# Altium PCB STM32F7_CoreBoard.PcbDoc (part 6 of 8) (continued)
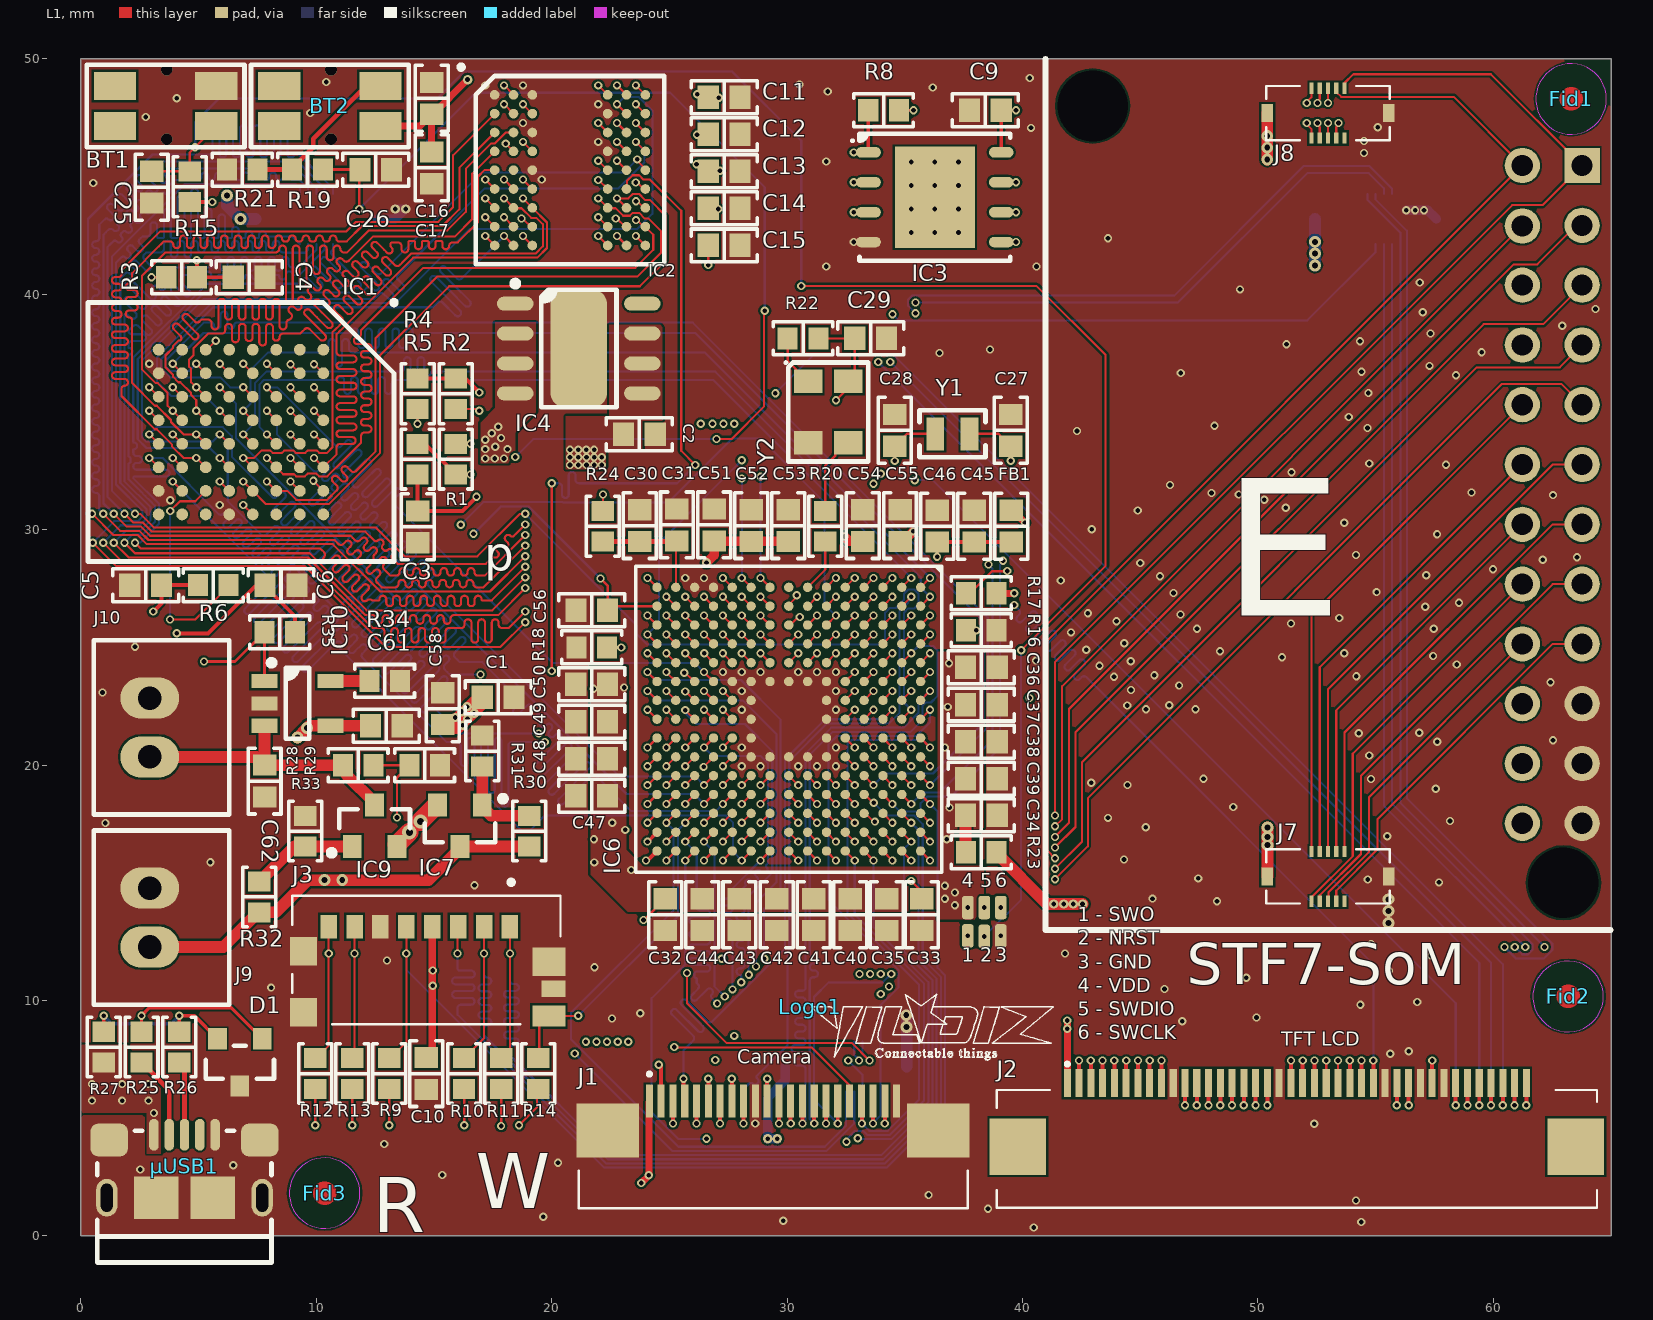
[diagram p0: L1 view]
## Nets (pads, with @x,y where several pads share a name; then routed paths per layer and width w, separated by ;. In a path a pad name is that pad's centre, name@x,y a point inside that pad or via, vN(x,y) a via of type N, cw(c..) or ccw(c..) an arc to the next point about the centre after c; other vN are vias at no path point) (continued)
LCD_R1: IC6.R6 J2.26 | length 45.6
  L1 w0.089: v1(24.07,23.953) IC6.R6@24.47,23.553
  L1 w0.169: J2.26@54.4,6.5 v1(54.4,7.45)
  L4 w0.089: v1(29.025,11.775) 31.017,9.783 52.067,9.783 v1(54.4,7.45)
  L6 w0.089: v1(24.07,23.953) 24.405,23.618 28.041,23.618 29.723,21.936 29.723,14.598 29.025,13.9 v1(29.025,11.775)
LCD_R2: IC6.R7 J2.25 | length 45.9
  L1 w0.089: v1(24.07,23.152) IC6.R7@24.47,22.752
  L1 w0.169: J2.25@53.9,6.5 v1(53.9,7.45)
  L4 w0.089: v1(28.676,11.451) 28.699,11.451 31.658,8.492 51.45,8.492 ccw(c51.45,8.6) 51.558,8.6 51.558,8.736 cw(c51.703,8.736) 51.703,8.881 cw(c51.703,8.736) 51.847,8.736 51.847,8.636 ccw(c51.992,8.636) 51.992,8.492 ccw(c51.992,8.636) 52.136,8.636 52.136,8.736 cw(c52.281,8.736) 52.281,8.881 cw(c52.281,8.736) 52.425,8.736 52.425,8.636 ccw(c52.569,8.636) 52.569,8.492 52.714,8.492 52.858,8.492 v1(53.9,7.45)
  L6 w0.089: v1(24.07,23.152) 24.473,22.75 28.109,22.75 29.545,21.313 29.545,15.02 28.676,14.151 v1(28.676,11.451)
LCD_R3: IC6.N14 J2.24 | length 45.4
  L1 w0.089: v1(25.67,16.752) IC6.N14@26.07,17.152 ; J2.24@53.4,6.5 v1(53.4,7.45)
  L4 w0.089: v1(27.025,9.875) 29.8,7.1 29.936,6.964 52.914,6.964 v1(53.4,7.45)
  L6 w0.089: v1(25.67,16.752) 26.162,16.26 26.162,14.075 26.162,13.978 ccw(c26.306,13.978) 26.306,13.833 26.588,13.833 cw(c26.588,13.689) 26.732,13.689 cw(c26.588,13.689) 26.588,13.545 26.162,13.545 25.992,13.545 ccw(c25.992,13.4) 25.848,13.4 ccw(c25.992,13.4) 25.992,13.256 26.162,13.256 26.588,13.256 cw(c26.588,13.111) 26.732,13.111 cw(c26.588,13.111) 26.588,12.967 26.162,12.967 25.992,12.967 ccw(c25.992,12.822) 25.848,12.822 ccw(c25.992,12.822) 25.992,12.678 26.162,12.678 26.588,12.678 cw(c26.588,12.533) 26.732,12.533 cw(c26.588,12.533) 26.588,12.389 26.162,12.389 25.992,12.389 ccw(c25.992,12.244) 25.848,12.244 ccw(c25.992,12.244) 25.992,12.1 26.162,12.1 26.588,12.1 cw(c26.588,11.956) 26.732,11.956 cw(c26.588,11.956) 26.588,11.811 26.162,11.811 25.992,11.811 ccw(c25.992,11.667) 25.848,11.667 ccw(c25.992,11.667) 25.992,11.522 26.162,11.522 26.588,11.522 cw(c26.588,11.378) 26.732,11.378 cw(c26.588,11.378) 26.588,11.233 26.162,11.233 ccw(c26.162,11.127) 26.056,11.127 26.056,11.051 ccw(c26.162,11.051) 26.162,10.944 26.162,10.8 26.162,10.738 26.208,10.692 cw(c26.106,10.59) 26.208,10.488 25.956,10.236 ccw(c26.058,10.134) 25.956,10.032 ccw(c26.058,10.134) 26.16,10.032 26.514,10.386 26.599,10.47 cw(c26.701,10.368) 26.803,10.47 cw(c26.701,10.368) 26.803,10.266 ccw(c26.888,10.181) 26.803,10.097 26.923,9.977 v1(27.025,9.875)
LCD_R4: IC6.N8 J2.23 | length 45.3
  L1 w0.089: v1(25.67,22.337) 25.678,22.337 26.063,21.952 IC6.N8@26.07,21.952 ; J2.23@52.9,6.5 v1(52.9,7.45)
  L4 w0.089: v1(28.375,11.1) 28.477,10.998 28.681,10.794 28.784,10.691 ccw(c28.886,10.794) 28.988,10.691 28.995,10.699 cw(c29.098,10.597) 29.2,10.699 cw(c29.098,10.597) 29.2,10.495 29.192,10.487 ccw(c29.294,10.385) 29.192,10.283 ccw(c29.294,10.385) 29.396,10.283 29.404,10.29 cw(c29.506,10.188) 29.608,10.29 cw(c29.506,10.188) 29.608,10.086 29.601,10.079 ccw(c29.703,9.976) 29.601,9.874 ccw(c29.703,9.976) 29.805,9.874 29.812,9.882 cw(c29.915,9.78) 30.017,9.882 cw(c29.915,9.78) 30.017,9.678 29.907,9.568 29.81,9.471 ccw(c29.912,9.369) 29.81,9.266 ccw(c29.912,9.369) 30.014,9.266 30.111,9.364 30.221,9.473 cw(c30.323,9.371) 30.425,9.473 cw(c30.323,9.371) 30.425,9.269 30.316,9.159 30.219,9.062 ccw(c30.321,8.96) 30.219,8.858 ccw(c30.321,8.96) 30.423,8.858 30.52,8.955 30.63,9.065 cw(c30.732,8.963) 30.834,9.065 cw(c30.732,8.963) 30.834,8.86 30.724,8.751 30.627,8.654 ccw(c30.729,8.551) 30.627,8.449 ccw(c30.729,8.551) 30.831,8.449 cw(c30.929,8.352) 31.026,8.449 31.037,8.438 31.175,8.3 52.05,8.3 v1(52.9,7.45)
  L6 w0.089: v1(25.67,22.337) 25.67,22.213 26.134,21.75 28.211,21.75 29.368,20.593 29.368,15.422 28.789,14.843 28.768,14.843 28.367,14.442 28.367,11.108 v1(28.375,11.1)
LCD_R5: IC6.M9 J2.22 | length 45.5
  L1 w0.089: v1(26.47,20.752) IC6.M9@26.87,21.152
  L1 w0.169: J2.22@52.4,6.5 v1(52.4,7.45)
  L4 w0.089: v1(28.05,10.775) 28.15,10.675 28.155,10.67 ccw(c28.252,10.767) 28.349,10.67 cw(c28.451,10.568) 28.554,10.67 cw(c28.451,10.568) 28.554,10.466 28.456,10.369 28.347,10.259 ccw(c28.449,10.157) 28.347,10.055 ccw(c28.449,10.157) 28.551,10.055 28.661,10.164 28.758,10.261 cw(c28.86,10.159) 28.962,10.261 cw(c28.86,10.159) 28.962,10.057 28.865,9.96 28.755,9.85 ccw(c28.857,9.748) 28.755,9.646 ccw(c28.857,9.748) 28.96,9.646 29.069,9.756 29.166,9.853 cw(c29.269,9.751) 29.371,9.853 cw(c29.269,9.751) 29.371,9.649 ccw(c29.468,9.551) 29.371,9.454 29.387,9.438 29.609,9.216 29.609,9.196 30.344,8.461 30.704,8.1 51.75,8.1 v1(52.4,7.45)
  L6 w0.089: v1(26.47,20.752) 26.831,20.391 28.867,20.391 29.19,20.069 29.19,15.835 29.127,15.772 ccw(c29.184,15.715) 29.127,15.657 cw(c29.025,15.555) 29.127,15.453 cw(c29.025,15.555) 28.922,15.453 28.865,15.51 ccw(c28.773,15.418) 28.68,15.51 28.661,15.491 ccw(c28.753,15.398) 28.661,15.306 28.718,15.249 cw(c28.616,15.147) 28.718,15.044 cw(c28.616,15.147) 28.514,15.044 28.456,15.102 ccw(c28.364,15.01) 28.272,15.102 28.252,15.082 ccw(c28.344,14.99) 28.252,14.898 28.15,14.795 28.05,14.695 28.05,14.551 28.05,14.315 cw(c27.997,14.315) 27.997,14.262 ccw(c27.997,14.118) 27.853,14.118 ccw(c27.997,14.118) 27.997,13.973 28.05,13.973 cw(c28.05,13.834) 28.189,13.834 28.189,13.823 cw(c28.05,13.823) 28.05,13.684 27.997,13.684 ccw(c27.997,13.54) 27.853,13.54 ccw(c27.997,13.54) 27.997,13.395 28.05,13.395 cw(c28.05,13.256) 28.189,13.256 28.189,13.245 cw(c28.05,13.245) 28.05,13.106 27.997,13.106 ccw(c27.997,12.962) 27.853,12.962 ccw(c27.997,12.962) 27.997,12.818 28.05,12.818 cw(c28.05,12.679) 28.189,12.679 28.189,12.668 cw(c28.05,12.668) 28.05,12.529 27.997,12.529 ccw(c27.997,12.384) 27.853,12.384 ccw(c27.997,12.384) 27.997,12.24 28.05,12.24 cw(c28.05,12.101) 28.189,12.101 28.189,12.09 cw(c28.05,12.09) 28.05,11.951 27.997,11.951 ccw(c27.997,11.806) 27.853,11.806 ccw(c27.997,11.806) 27.997,11.662 28.05,11.662 cw(c28.05,11.523) 28.189,11.523 28.189,11.512 cw(c28.05,11.512) 28.05,11.373 27.997,11.373 ccw(c27.997,11.229) 27.853,11.229 ccw(c27.997,11.229) 27.997,11.084 cw(c27.997,11.031) 28.05,11.031 28.05,10.795 v1(28.05,10.775)
LCD_R6: IC6.M14 J2.21 | length 45.4
  L1 w0.089: v1(26.47,16.752) IC6.M14@26.87,17.152
  L1 w0.169: J2.21@51.9,6.5 v1(51.9,7.45)
  L4 w0.089: v1(27.35,10.175) 30.383,7.142 36.95,7.142 ccw(c36.95,7.194) 37.002,7.194 37.002,7.436 cw(c37.147,7.436) 37.147,7.581 cw(c37.147,7.436) 37.291,7.436 37.291,7.286 ccw(c37.436,7.286) 37.436,7.142 ccw(c37.436,7.286) 37.58,7.286 37.58,7.436 cw(c37.724,7.436) 37.724,7.581 cw(c37.724,7.436) 37.869,7.436 37.869,7.286 ccw(c38.013,7.286) 38.013,7.142 ccw(c38.013,7.286) 38.158,7.286 38.158,7.436 cw(c38.302,7.436) 38.302,7.581 cw(c38.302,7.436) 38.447,7.436 38.447,7.286 ccw(c38.591,7.286) 38.591,7.142 ccw(c38.591,7.286) 38.736,7.286 38.736,7.436 cw(c38.88,7.436) 38.88,7.581 cw(c38.88,7.436) 39.025,7.436 39.025,7.286 ccw(c39.169,7.286) 39.169,7.142 ccw(c39.169,7.286) 39.313,7.286 39.313,7.436 cw(c39.458,7.436) 39.458,7.581 cw(c39.458,7.436) 39.602,7.436 39.602,7.286 ccw(c39.747,7.286) 39.747,7.142 ccw(c39.747,7.286) 39.891,7.286 39.891,7.436 cw(c40.036,7.436) 40.036,7.581 cw(c40.036,7.436) 40.18,7.436 40.18,7.286 ccw(c40.325,7.286) 40.325,7.142 ccw(c40.325,7.286) 40.469,7.286 40.469,7.436 cw(c40.613,7.436) 40.613,7.581 cw(c40.613,7.436) 40.758,7.436 40.758,7.286 ccw(c40.902,7.286) 40.902,7.142 ccw(c40.902,7.286) 41.047,7.286 41.047,7.436 cw(c41.191,7.436) 41.191,7.581 cw(c41.191,7.436) 41.336,7.436 41.336,7.286 ccw(c41.48,7.286) 41.48,7.142 ccw(c41.48,7.286) 41.625,7.286 41.625,7.436 cw(c41.769,7.436) 41.769,7.581 cw(c41.769,7.436) 41.914,7.436 41.914,7.286 ccw(c42.058,7.286) 42.058,7.142 42.202,7.142 42.491,7.142 42.78,7.142 43.069,7.142 43.358,7.142 43.647,7.142 43.936,7.142 44.225,7.142 44.514,7.142 44.803,7.142 45.091,7.142 45.38,7.142 45.669,7.142 45.958,7.142 46.103,7.142 ccw(c46.103,7.286) 46.247,7.286 46.247,7.436 cw(c46.391,7.436) 46.391,7.581 cw(c46.391,7.436) 46.536,7.436 46.536,7.286 ccw(c46.68,7.286) 46.68,7.142 ccw(c46.68,7.286) 46.825,7.286 46.825,7.436 cw(c46.969,7.436) 46.969,7.581 cw(c46.969,7.436) 47.114,7.436 47.114,7.286 ccw(c47.258,7.286) 47.258,7.142 ccw(c47.258,7.286) 47.403,7.286 47.403,7.436 cw(c47.547,7.436) 47.547,7.581 cw(c47.547,7.436) 47.692,7.436 47.692,7.286 ccw(c47.836,7.286) 47.836,7.142 ccw(c47.836,7.286) 47.98,7.286 47.98,7.436 cw(c48.125,7.436) 48.125,7.581 cw(c48.125,7.436) 48.269,7.436 48.269,7.286 ccw(c48.414,7.286) 48.414,7.142 ccw(c48.414,7.286) 48.558,7.286 48.558,7.436 cw(c48.703,7.436) 48.703,7.581 cw(c48.703,7.436) 48.847,7.436 48.847,7.286 ccw(c48.992,7.286) 48.992,7.142 ccw(c48.992,7.286) 49.136,7.286 49.136,7.436 cw(c49.28,7.436) 49.28,7.581 cw(c49.28,7.436) 49.425,7.436 49.425,7.286 ccw(c49.569,7.286) 49.569,7.142 ccw(c49.569,7.286) 49.714,7.286 49.714,7.436 cw(c49.858,7.436) 49.858,7.581 cw(c49.858,7.436) 50.003,7.436 50.003,7.286 ccw(c50.147,7.286) 50.147,7.142 ccw(c50.147,7.286) 50.292,7.286 50.292,7.436 cw(c50.436,7.436) 50.436,7.581 cw(c50.436,7.436) 50.58,7.436 50.58,7.286 ccw(c50.725,7.286) 50.725,7.142 50.797,7.142 ccw(c50.797,7.214) 50.869,7.214 cw(c51.014,7.214) 51.014,7.358 cw(c51.014,7.214) 51.158,7.214 ccw(c51.23,7.214) 51.23,7.142 51.447,7.142 51.592,7.142 v1(51.9,7.45)
  L6 w0.089: v1(26.47,16.752) 26.91,16.312 26.91,10.615 v1(27.35,10.175)
LCD_R7: IC6.J15 J2.20 | length 45.1
  L1 w0.089: v1(28.87,15.952) IC6.J15@29.27,16.352
  L1 w0.169: J2.20@51.4,6.5 v1(51.4,7.45)
  L4 w0.089: v1(27.675,10.475) 27.777,10.373 27.897,10.253 cw(c27.812,10.169) 27.897,10.084 ccw(c27.999,9.982) 27.897,9.88 ccw(c27.999,9.982) 28.101,9.88 cw(c28.186,9.795) 28.27,9.88 28.305,9.845 cw(c28.221,9.76) 28.305,9.675 ccw(c28.407,9.573) 28.305,9.471 ccw(c28.407,9.573) 28.51,9.471 cw(c28.594,9.386) 28.679,9.471 28.714,9.436 cw(c28.629,9.351) 28.714,9.267 ccw(c28.816,9.165) 28.714,9.062 ccw(c28.816,9.165) 28.918,9.062 29.003,9.147 29.113,9.257 cw(c29.215,9.155) 29.317,9.257 cw(c29.215,9.155) 29.317,9.053 29.207,8.943 29.122,8.858 ccw(c29.225,8.756) 29.122,8.654 ccw(c29.225,8.756) 29.327,8.654 29.411,8.739 29.511,8.838 cw(c29.613,8.736) 29.715,8.838 cw(c29.613,8.736) 29.715,8.634 29.616,8.534 29.531,8.45 ccw(c29.633,8.348) 29.531,8.245 ccw(c29.633,8.348) 29.735,8.245 29.82,8.33 29.919,8.429 cw(c30.021,8.327) 30.124,8.429 cw(c30.021,8.327) 30.124,8.225 30.024,8.126 29.94,8.041 ccw(c30.042,7.939) 29.94,7.837 ccw(c30.042,7.939) 30.144,7.837 ; 30.145,7.838 cw(c30.229,7.754) 30.313,7.838 30.392,7.758 30.536,7.758 30.681,7.758 cw(c30.681,7.614) 30.825,7.614 30.825,7.464 ccw(c30.969,7.464) 30.969,7.319 ccw(c30.969,7.464) 31.114,7.464 31.114,7.758 31.114,7.778 cw(c31.258,7.778) 31.258,7.922 cw(c31.258,7.778) 31.403,7.778 31.403,7.758 31.403,7.464 ccw(c31.547,7.464) 31.547,7.319 ccw(c31.547,7.464) 31.692,7.464 31.692,7.758 31.692,7.778 cw(c31.836,7.778) 31.836,7.922 cw(c31.836,7.778) 31.981,7.778 31.981,7.758 31.981,7.464 ccw(c32.125,7.464) 32.125,7.319 ccw(c32.125,7.464) 32.269,7.464 32.269,7.614 cw(c32.414,7.614) 32.414,7.758 32.558,7.758 33.651,7.758 33.776,7.758 ccw(c33.776,7.778) 33.796,7.778 cw(c33.94,7.778) 33.94,7.922 cw(c33.94,7.778) 34.085,7.778 34.085,7.758 34.085,7.464 ccw(c34.229,7.464) 34.229,7.319 ccw(c34.229,7.464) 34.374,7.464 34.374,7.758 34.374,7.778 cw(c34.518,7.778) 34.518,7.922 cw(c34.518,7.778) 34.663,7.778 34.663,7.758 34.663,7.464 ccw(c34.807,7.464) 34.807,7.319 ccw(c34.807,7.464) 34.951,7.464 34.951,7.758 34.951,7.778 cw(c35.096,7.778) 35.096,7.922 cw(c35.096,7.778) 35.24,7.778 35.24,7.758 35.24,7.464 ccw(c35.385,7.464) 35.385,7.319 ccw(c35.385,7.464) 35.529,7.464 35.529,7.758 35.529,7.778 cw(c35.674,7.778) 35.674,7.922 cw(c35.674,7.778) 35.818,7.778 35.818,7.758 35.818,7.464 ccw(c35.963,7.464) 35.963,7.319 ccw(c35.963,7.464) 36.107,7.464 36.107,7.758 36.107,7.778 cw(c36.252,7.778) 36.252,7.922 cw(c36.252,7.778) 36.396,7.778 36.396,7.758 36.396,7.464 ccw(c36.54,7.464) 36.54,7.319 ccw(c36.54,7.464) 36.685,7.464 36.685,7.668 cw(c36.775,7.668) 36.775,7.758 51.092,7.758 v1(51.4,7.45)
  L6 w0.089: v1(27.675,10.475) 27.675,13 27.675,13.168 27.675,13.312 ccw(c27.531,13.312) 27.531,13.456 27.232,13.456 cw(c27.232,13.601) 27.088,13.601 cw(c27.232,13.601) 27.232,13.745 27.531,13.745 ccw(c27.531,13.89) 27.675,13.89 ccw(c27.531,13.89) 27.531,14.034 27.232,14.034 cw(c27.232,14.179) 27.088,14.179 cw(c27.232,14.179) 27.232,14.323 27.531,14.323 ccw(c27.531,14.468) 27.675,14.468 27.675,14.612 27.675,14.757 v1(28.87,15.952)
LCD_RST/XR: IC6.F12 J2.39 | length 40.2
  L1 w0.089: IC6.F12@31.67,18.752 v1(32.07,18.352)
  L1 w0.169: v1(60.9,5.55) J2.39@60.9,6.5
  L3 w0.089: v1(32.07,18.352) 32.427,18.709 33.804,18.709 34.156,18.357 34.156,15.494 36.186,13.464 39.295,13.464 41.37,11.389 41.37,8.28 41.85,7.8 41.85,7.253 43.206,5.897 54.828,5.897 55.661,5.064 60.414,5.064 v1(60.9,5.55)
LCD_SCL: IC6.H4 J2.37 | length 57.2
  L1 w0.089: IC6.H4@30.07,25.153 v1(30.47,25.553)
  L1 w0.169: v1(59.9,5.55) J2.37@59.9,6.5
  L4 w0.089: v1(30.47,25.553) 30.1,25.923 30.1,32.853 v1(34.376,37.129)
  L6 w0.089: v1(34.376,37.129) 59.9,11.605 v1(59.9,5.55)
LCD_SDA: IC6.J3 J2.38 | length 59.5
  L1 w0.089: v1(28.87,26.353) IC6.J3@29.27,25.953
  L1 w0.169: v1(60.4,5.55) J2.38@60.4,6.5
  L3 w0.089: v1(28.87,26.353) 29.5,26.983 v1(29.5,35.8)
  L6 w0.089: v1(29.5,35.8) 31.137,37.437 34.504,37.437 60.4,11.541 v1(60.4,5.55)
LCD_VSYNC: IC6.G3 J2.34 | length 45.5
  L1 w0.089: IC6.G3@30.87,25.953 v1(31.27,26.353)
  L1 w0.169: v1(58.4,5.55) J2.34@58.4,6.5
  L4 w0.089: v1(31.27,26.353) 31.762,26.845 31.762,28.443 v1(35.425,32.106)
  L6 w0.089: v1(35.425,32.106) 36.186,32.106 58.4,9.892 v1(58.4,5.55)
N\R\S\T\: BT1.1 C25.2 IC6.J1 pad.2@38.375,12.725 R15.2 | length 95.8
  L1 w0.089: v1(28.87,27.953) IC6.J1@29.27,27.553 ; v1(30.6,40.35) 40.6,40.35 43.53,37.42 43.53,28.475 v1(39.94,24.885)
  L1 w0.1: C25.2@3,45.225 R15.2@4.625,45.225 4.625,46.025 BT1.1@5.75,47.15
  L4 w0.089: v1(28.87,32.25) 28.487,31.867 27.947,31.867 27.767,32.047 27.767,33.631 30.6,36.464 v1(30.6,40.35)
  L6 w0.089: v1(28.87,27.953) v1(28.87,32.25) ; v1(38.375,12.725) 39.94,14.29 v1(39.94,24.885)
  L6 w0.1: v1(4.85,46.25) 4.85,47.3 5.87,48.32 15.141,48.32 16.283,49.462 27.658,49.462 30.6,46.52 v1(30.6,40.35)
NetBT2_2: BT2.2 R19.1 R21.2 | length 6.9
  L1 w0.2: R21.2@7.5,45.3 R19.1@8.975,45.3 8.975,45.35 9.875,46.25 9.875,46.611 12.114,48.85 BT2.2@12.725,48.85
NetC27_2: C27.2 IC6.E1 Y1.2 | length 11.8
  L1 w0.089: IC6.E1@32.47,27.553 v1(32.87,27.953)
  L1 w0.1: Y1.2@37.748,34.075 38.975,34.075 C27.2@39.5,33.55 v1(39.5,32.927)
  L2 w0.089: v1(32.87,27.953) 37.845,32.927 v1(39.5,32.927)
NetC28_2: C28.2 IC6.F1 Y1.1 | length 9.1
  L1 w0.089: IC6.F1@31.67,27.553 v1(32.07,27.953)
  L1 w0.1: v1(34.575,32.925) 34.575,33.548 C28.2@34.573,33.55 35.098,34.075 Y1.1@36.298,34.075
  L2 w0.089: v1(32.07,27.953) 34.575,30.458 v1(34.575,32.925)
NetC32_2: C32.2 IC6.L11 | length 9.3
  L1 w0.089: v1(27.27,19.152) IC6.L11@27.67,19.552
  L1 w0.1: v1(23.901,13.426) 23.926,13.426 C32.2@24.825,14.325
  L2 w0.1: v1(23.901,13.426) 24.388,13.426 26.784,15.822 26.784,18.666 v1(27.27,19.152)
NetC33_2: C33.2 IC6.E11 | length 7.3
  L1 w0.089: IC6.E11@32.47,19.552 v1(32.87,19.152)
  L1 w0.1: v1(35.27,15.075) 35.725,14.62 C33.2@35.725,14.325
  L2 w0.1: v1(32.87,19.152) 33.356,18.666 33.356,15.822 34.103,15.075 v1(35.27,15.075)
NetIC1_F7: IC1.F7 R6.2 | length 9.6
  L1 w0.089: v1(3.788,26.188) 4.862,26.188 6.275,27.6 R6.2@6.275,27.65 ; v1(3.8,30.8) 4.211,31.211 4.861,31.211 IC1.F7@5.3,31.65
  L6 w0.089: v1(3.788,26.188) v1@3.788,30.788
  L6 w0.169: v1@3.788,30.788 v1(3.8,30.8)
NetIC6_E5: IC6.E5 R17.2 | length 10.6
  L1 w0.089: IC6.E5@32.47,24.353 v1(32.87,24.753)
  L1 w0.1: R17.2@37.6,27.3 37.769,27.3 38.705,28.236 39.336,28.236 v1(39.35,28.25)
  L2 w0.089: v1(32.87,24.753) 33.231,25.114 36.214,25.114 v1(39.35,28.25)
NetIC6_E6: IC6.E6 R16.2 | length 6.9
  L1 w0.089: IC6.E6@32.47,23.553 v1(32.87,23.953) ; R16.2@37.6,25.725 v1(38.035,25.725)
  L2 w0.089: v1(32.87,23.953) 33.362,24.444 36.198,24.444 37.479,25.725 v1(38.035,25.725)
NetIC6_G1: IC6.G1 R20.1 | length 2.3
  L1 w0.089: IC6.G1@30.87,27.553 31.62,28.303 R20.1@31.62,29.502
NetIC6_L5: IC6.L5 R18.2 | length 5.9
  L1 w0.089: v1(27.27,24.753) IC6.L5@27.67,24.353
  L1 w0.127: R18.2@22.35,25 v1(22.95,25)
  L2 w0.127: v1(22.95,25) 23.526,24.424 26.941,24.424 v1(27.27,24.753)
NetIC7_1: IC7.1 R30.1 R31.2 | length 3.9
  L1 w0.5: R31.2@17.05,19.95 IC7.1@17.05,18.31 17.05,18.225 17.425,17.85 R30.1@19.05,17.85
NetIC9_1: IC9.1 R32.1 R33.2 | length 4.6
  L1 w0.5: R32.1@7.575,15.05 9.075,16.55 R33.2@9.525,16.55 9.535,16.54 IC9.1@11.525,16.54
NetIC10_5: IC10.5 R34.2 | length 1.7
  L1 w0.5: IC10.5@10.6,23.575 R34.2@12.25,23.575
NetR22_2: R22.2 Y2.1 | length 2.2
  L1 w0.1: R22.2@30.025,38.125 30.025,37.173 Y2.1@30.898,36.3
NetR25_2: R25.2 µUSB1.2 | length 3.6
  L1 w0.2: R25.2@2.575,7.375 3.75,6.2 µUSB1.2@3.75,4.3
NetR26_2: R26.2 µUSB1.3 | length 3.2
  L1 w0.2: R26.2@4.175,7.375 4.4,7.15 µUSB1.3@4.4,4.3
NOR_nRST: C3.1 IC1.B5 R5.1 | length 13.9
  L1 w0.089: v1(8.9,34.05) IC1.B5@9.3,33.65
  L1 w0.169: R5.1@14.3,32.35 C3.1@14.3,30.8 16.2,30.8 v1(16.8,31.4)
  L3 w0.089: v1(8.9,34.05) 9.464,34.05 12.114,31.4 v1(16.8,31.4)
NOR_nWP: IC1.B4 R4.1 | length 7.1
  L1 w0.089: v1(8.9,35.05) IC1.B4@9.3,34.65 ; v1(14.3,34.5) R4.1@14.3,35.125
  L3 w0.089: v1(8.9,35.05) 9.464,35.05 10.297,34.217 14.017,34.217 v1(14.3,34.5)
OSC: R20.2 Y2.3 | length 3.4
  L1 w0.1: R20.2@31.62,30.802 31.62,32.723 32.048,33.15 32.048,33.25 32.498,33.7 Y2.3@32.598,33.7
QSPI_CLK: IC3.6 IC6.M5 | length 38.7
  L1 w0.089: v1(26.476,24.751) 26.476,24.749 26.87,24.355 IC6.M5@26.87,24.353
  L1 w0.1: IC3.6@39.095,43.49 v1(39.718,43.49)
  L3 w0.089: v1(26.325,34.5) 26.408,34.417 26.408,29.037 26.1,28.729 26.1,26.92 26.271,26.748 26.577,26.748 26.95,26.375 26.95,25.232 26.476,24.759 v1(26.476,24.751)
  L4 w0.089: v1(26.325,34.5) 26.325,42.242 31.173,47.09 38.86,47.09 40.428,45.522 40.428,44.2 v1(39.718,43.49)
QSPI_D0: IC3.5 IC6.L3 | length 37.9
  L1 w0.089: v1(27.27,26.353) IC6.L3@27.67,25.953
  L1 w0.1: IC3.5@39.095,42.22 v1(39.718,42.22)
  L3 w0.089: v1(26.825,34.5) 26.692,34.367 26.692,29.042 26.908,28.825 26.908,28.462 26.784,28.338 26.784,26.839 v1(27.27,26.353)
  L4 w0.089: v1@26.825,34.625 26.825,35.825 26.825,35.831 ccw(c26.681,35.831) 26.681,35.975 26.647,35.975 cw(c26.647,36.12) 26.503,36.12 cw(c26.647,36.12) 26.647,36.264 26.825,36.264 ccw(c26.825,36.356) 26.917,36.356 26.917,36.461 ccw(c26.825,36.461) 26.825,36.553 26.647,36.553 cw(c26.647,36.698) 26.503,36.698 cw(c26.647,36.698) 26.647,36.842 26.825,36.842 ccw(c26.825,36.934) 26.917,36.934 26.917,37.039 ccw(c26.825,37.039) 26.825,37.131 26.647,37.131 cw(c26.647,37.275) 26.503,37.275 cw(c26.647,37.275) 26.647,37.42 26.825,37.42 ccw(c26.825,37.512) 26.917,37.512 26.917,37.617 ccw(c26.825,37.617) 26.825,37.709 26.647,37.709 cw(c26.647,37.853) 26.503,37.853 cw(c26.647,37.853) 26.647,37.998 26.825,37.998 ccw(c26.825,38.09) 26.917,38.09 26.917,38.194 ccw(c26.825,38.194) 26.825,38.286 26.647,38.286 cw(c26.647,38.431) 26.503,38.431 cw(c26.647,38.431) 26.647,38.575 26.825,38.575 ccw(c26.825,38.667) 26.917,38.667 26.917,38.772 ccw(c26.825,38.772) 26.825,38.864 26.647,38.864 cw(c26.647,39.009) 26.503,39.009 cw(c26.647,39.009) 26.647,39.153 26.681,39.153 ccw(c26.681,39.298) 26.825,39.298 26.825,39.442 26.825,39.587 33.247,46.008 39.117,46.008 40.026,45.099 40.026,44.632 39.231,43.838 39.231,42.706 v1(39.718,42.22)
QSPI_D1: IC3.2 IC6.L2 | length 39.3
  L1 w0.089: v1(27.27,27.153) IC6.L2@27.67,26.753
  L1 w0.1: v1(32.832,44.76) IC3.2@33.455,44.76
  L3 w0.089: v1(27.27,27.153) 26.962,27.461 26.962,28.089 27.579,28.706 27.579,34.221 v1(27.3,34.5)
  L4 w0.089: v1(27.3,34.5) 27.3,34.8 27.3,34.977 ccw(c27.239,34.977) 27.239,35.039 cw(c27.239,35.183) 27.094,35.183 cw(c27.239,35.183) 27.239,35.327 27.3,35.327 27.453,35.327 ccw(c27.453,35.472) 27.598,35.472 ccw(c27.453,35.472) 27.453,35.616 27.3,35.616 27.239,35.616 cw(c27.239,35.761) 27.094,35.761 cw(c27.239,35.761) 27.239,35.905 27.3,35.905 27.453,35.905 ccw(c27.453,36.05) 27.598,36.05 ccw(c27.453,36.05) 27.453,36.194 27.3,36.194 27.239,36.194 cw(c27.239,36.339) 27.094,36.339 cw(c27.239,36.339) 27.239,36.483 27.3,36.483 27.453,36.483 ccw(c27.453,36.627) 27.598,36.627 ccw(c27.453,36.627) 27.453,36.772 27.3,36.772 27.239,36.772 cw(c27.239,36.916) 27.094,36.916 cw(c27.239,36.916) 27.239,37.061 27.3,37.061 27.453,37.061 ccw(c27.453,37.205) 27.598,37.205 ccw(c27.453,37.205) 27.453,37.35 27.3,37.35 27.239,37.35 cw(c27.239,37.494) 27.094,37.494 cw(c27.239,37.494) 27.239,37.639 27.3,37.639 27.453,37.639 ccw(c27.453,37.783) 27.598,37.783 ccw(c27.453,37.783) 27.453,37.928 27.3,37.928 27.239,37.928 cw(c27.239,38.072) 27.094,38.072 cw(c27.239,38.072) 27.239,38.216 27.3,38.216 27.453,38.216 ccw(c27.453,38.361) 27.598,38.361 ccw(c27.453,38.361) 27.453,38.505 27.3,38.505 27.239,38.505 cw(c27.239,38.65) 27.094,38.65 cw(c27.239,38.65) 27.239,38.794 ccw(c27.239,38.855) 27.3,38.855 27.3,39.083 27.3,39.228 27.419,39.347 27.623,39.551 27.725,39.653 ccw(c27.623,39.755) 27.725,39.857 27.686,39.897 cw(c27.788,39.999) 27.686,40.101 cw(c27.788,39.999) 27.89,40.101 28.032,39.959 28.18,39.811 ccw(c28.282,39.913) 28.385,39.811 ccw(c28.282,39.913) 28.385,40.015 28.236,40.164 28.094,40.305 cw(c28.196,40.407) 28.094,40.51 cw(c28.196,40.407) 28.299,40.51 28.44,40.368 28.589,40.219 ccw(c28.691,40.322) 28.793,40.219 ccw(c28.691,40.322) 28.793,40.424 28.645,40.572 28.503,40.714 cw(c28.605,40.816) 28.503,40.918 cw(c28.605,40.816) 28.707,40.918 28.849,40.776 28.997,40.628 ccw(c29.099,40.73) 29.202,40.628 ccw(c29.099,40.73) 29.202,40.832 29.053,40.981 28.911,41.122 cw(c29.014,41.225) 28.911,41.327 cw(c29.014,41.225) 29.116,41.327 29.257,41.185 29.406,41.037 ccw(c29.508,41.139) 29.61,41.037 ccw(c29.508,41.139) 29.61,41.241 29.462,41.389 29.32,41.531 cw(c29.422,41.633) 29.32,41.735 cw(c29.422,41.633) 29.524,41.735 29.666,41.594 29.814,41.445 ccw(c29.917,41.547) 30.019,41.445 ccw(c29.917,41.547) 30.019,41.649 29.87,41.798 29.737,41.931 cw(c29.839,42.033) 29.737,42.136 cw(c29.839,42.033) 29.941,42.136 30.075,42.002 30.223,41.854 ccw(c30.325,41.956) 30.427,41.854 ccw(c30.325,41.956) 30.427,42.058 30.279,42.206 30.145,42.34 cw(c30.248,42.442) 30.145,42.544 cw(c30.248,42.442) 30.35,42.544 30.483,42.411 30.632,42.262 ccw(c30.734,42.364) 30.836,42.262 ccw(c30.734,42.364) 30.836,42.467 30.687,42.615 30.554,42.748 cw(c30.656,42.851) 30.554,42.953 cw(c30.656,42.851) 30.758,42.953 30.892,42.819 31.04,42.671 ccw(c31.142,42.773) 31.244,42.671 ccw(c31.142,42.773) 31.244,42.875 31.096,43.024 30.963,43.157 cw(c31.065,43.259) 30.963,43.361 cw(c31.065,43.259) 31.167,43.361 31.3,43.228 31.449,43.079 ccw(c31.551,43.182) 31.653,43.079 ccw(c31.551,43.182) 31.653,43.284 31.505,43.432 31.371,43.566 cw(c31.473,43.668) 31.371,43.77 cw(c31.473,43.668) 31.575,43.77 31.709,43.636 31.857,43.488 ccw(c31.959,43.59) 32.062,43.488 ccw(c31.959,43.59) 32.062,43.692 31.913,43.841 31.78,43.974 cw(c31.882,44.076) 31.78,44.178 cw(c31.882,44.076) 31.984,44.178 32.117,44.045 32.266,43.897 ccw(c32.368,43.999) 32.47,43.897 ccw(c32.368,43.999) 32.47,44.101 32.322,44.249 32.188,44.383 cw(c32.29,44.485) 32.188,44.587 cw(c32.29,44.485) 32.393,44.587 32.424,44.556 ccw(c32.526,44.658) 32.628,44.556 32.73,44.658 v1(32.832,44.76)
QSPI_D2: IC3.3 IC6.A3 | length 38.8
  L1 w0.089: IC6.A3@35.67,25.953 v1(36.07,26.353)
  L4 w0.089: v1(32.832,43.49) 33.171,43.151 ccw(c33.274,43.253) 33.376,43.151 33.754,43.529 cw(c33.856,43.427) 33.958,43.529 cw(c33.856,43.427) 33.958,43.325 33.478,42.845 33.143,42.509 ccw(c33.245,42.407) 33.143,42.305 ccw(c33.245,42.407) 33.347,42.305 33.682,42.64 34.162,43.12 cw(c34.265,43.018) 34.367,43.12 cw(c34.265,43.018) 34.367,42.916 33.886,42.436 33.084,41.633 ccw(c33.186,41.531) 33.084,41.429 ccw(c33.186,41.531) 33.288,41.429 34.091,42.232 34.571,42.712 cw(c34.673,42.61) 34.775,42.712 cw(c34.673,42.61) 34.775,42.508 34.295,42.027 33.492,41.225 ccw(c33.595,41.123) 33.492,41.02 ccw(c33.595,41.123) 33.697,41.02 34.499,41.823 34.933,42.257 cw(c35.035,42.155) 35.137,42.257 cw(c35.035,42.155) 35.137,42.053 34.704,41.619 33.901,40.816 ccw(c34.003,40.714) 33.901,40.612 ccw(c34.003,40.714) 34.105,40.612 34.908,41.415 35.388,41.895 cw(c35.49,41.793) 35.592,41.895 cw(c35.49,41.793) 35.592,41.69 35.112,41.21 34.31,40.408 ccw(c34.412,40.305) 34.31,40.203 ccw(c34.412,40.305) 34.514,40.203 35.316,41.006 35.797,41.486 cw(c35.899,41.384) 36.001,41.486 cw(c35.899,41.384) 36.001,41.282 35.623,40.904 ccw(c35.725,40.802) 35.623,40.7 35.725,40.597 35.762,40.561 35.762,26.661 v1(36.07,26.353)
QSPI_D3: IC3.7 IC6.K2 | length 38.8
  L1 w0.089: v1(28.07,27.153) IC6.K2@28.47,26.753
  L1 w0.1: IC3.7@39.095,44.76 v1(39.718,44.76)
  L3 w0.089: v1(27.75,34.5) 27.756,34.494 27.756,27.694 28.07,27.38 v1(28.07,27.153)
  L4 w0.089: v1@27.775,34.625 ccw(c27.631,34.625) 27.631,34.769 27.622,34.769 cw(c27.622,34.914) 27.478,34.914 cw(c27.622,34.914) 27.622,35.058 27.775,35.058 28.636,35.058 ccw(c28.636,35.203) 28.781,35.203 ccw(c28.636,35.203) 28.636,35.347 27.919,35.347 cw(c27.919,35.492) 27.775,35.492 cw(c27.919,35.492) 27.919,35.636 28.636,35.636 ccw(c28.636,35.781) 28.781,35.781 ccw(c28.636,35.781) 28.636,35.925 27.919,35.925 cw(c27.919,36.069) 27.775,36.069 cw(c27.919,36.069) 27.919,36.214 28.636,36.214 ccw(c28.636,36.358) 28.781,36.358 ccw(c28.636,36.358) 28.636,36.503 27.919,36.503 cw(c27.919,36.647) 27.775,36.647 cw(c27.919,36.647) 27.919,36.792 28.636,36.792 ccw(c28.636,36.936) 28.781,36.936 ccw(c28.636,36.936) 28.636,37.081 27.919,37.081 cw(c27.919,37.225) 27.775,37.225 cw(c27.919,37.225) 27.919,37.37 28.636,37.37 ccw(c28.636,37.514) 28.781,37.514 ccw(c28.636,37.514) 28.636,37.658 27.919,37.658 cw(c27.919,37.803) 27.775,37.803 cw(c27.919,37.803) 27.919,37.947 28.636,37.947 ccw(c28.636,38.092) 28.781,38.092 ccw(c28.636,38.092) 28.636,38.236 27.919,38.236 cw(c27.919,38.381) 27.775,38.381 27.775,38.525 27.775,38.725 27.775,38.95 34.05,45.225 39.253,45.225 v1(39.718,44.76)
QSPI_NCS: IC3.1 IC6.B6 R8.1 | length 38.5
  L1 w0.089: IC6.B6@34.87,23.553 v1(35.27,23.953)
  L1 w0.1: v1(32.832,46.03) IC3.1@33.455,46.03
  L1 w0.169: R8.1@33.445,47.815 33.445,46.04 IC3.1@33.455,46.03
  L4 w0.089: v1(32.832,46.03) 32.832,46.382 33.225,46.775 38.725,46.775 40.25,45.25 40.25,44.458 39.409,43.618 39.409,43.028 40.026,42.411 40.026,39.502 38.242,37.718 38.242,26.924 37.197,25.88 36.02,25.88 35.67,26.23 35.67,26.452 35.461,26.661 35.142,26.661 34.962,26.481 34.962,26.091 35.103,25.95 35.32,25.95 35.584,25.686 35.584,24.266 v1(35.27,23.953)